# KiCad board panel.opm-lowside.kicad_pcb (continued)
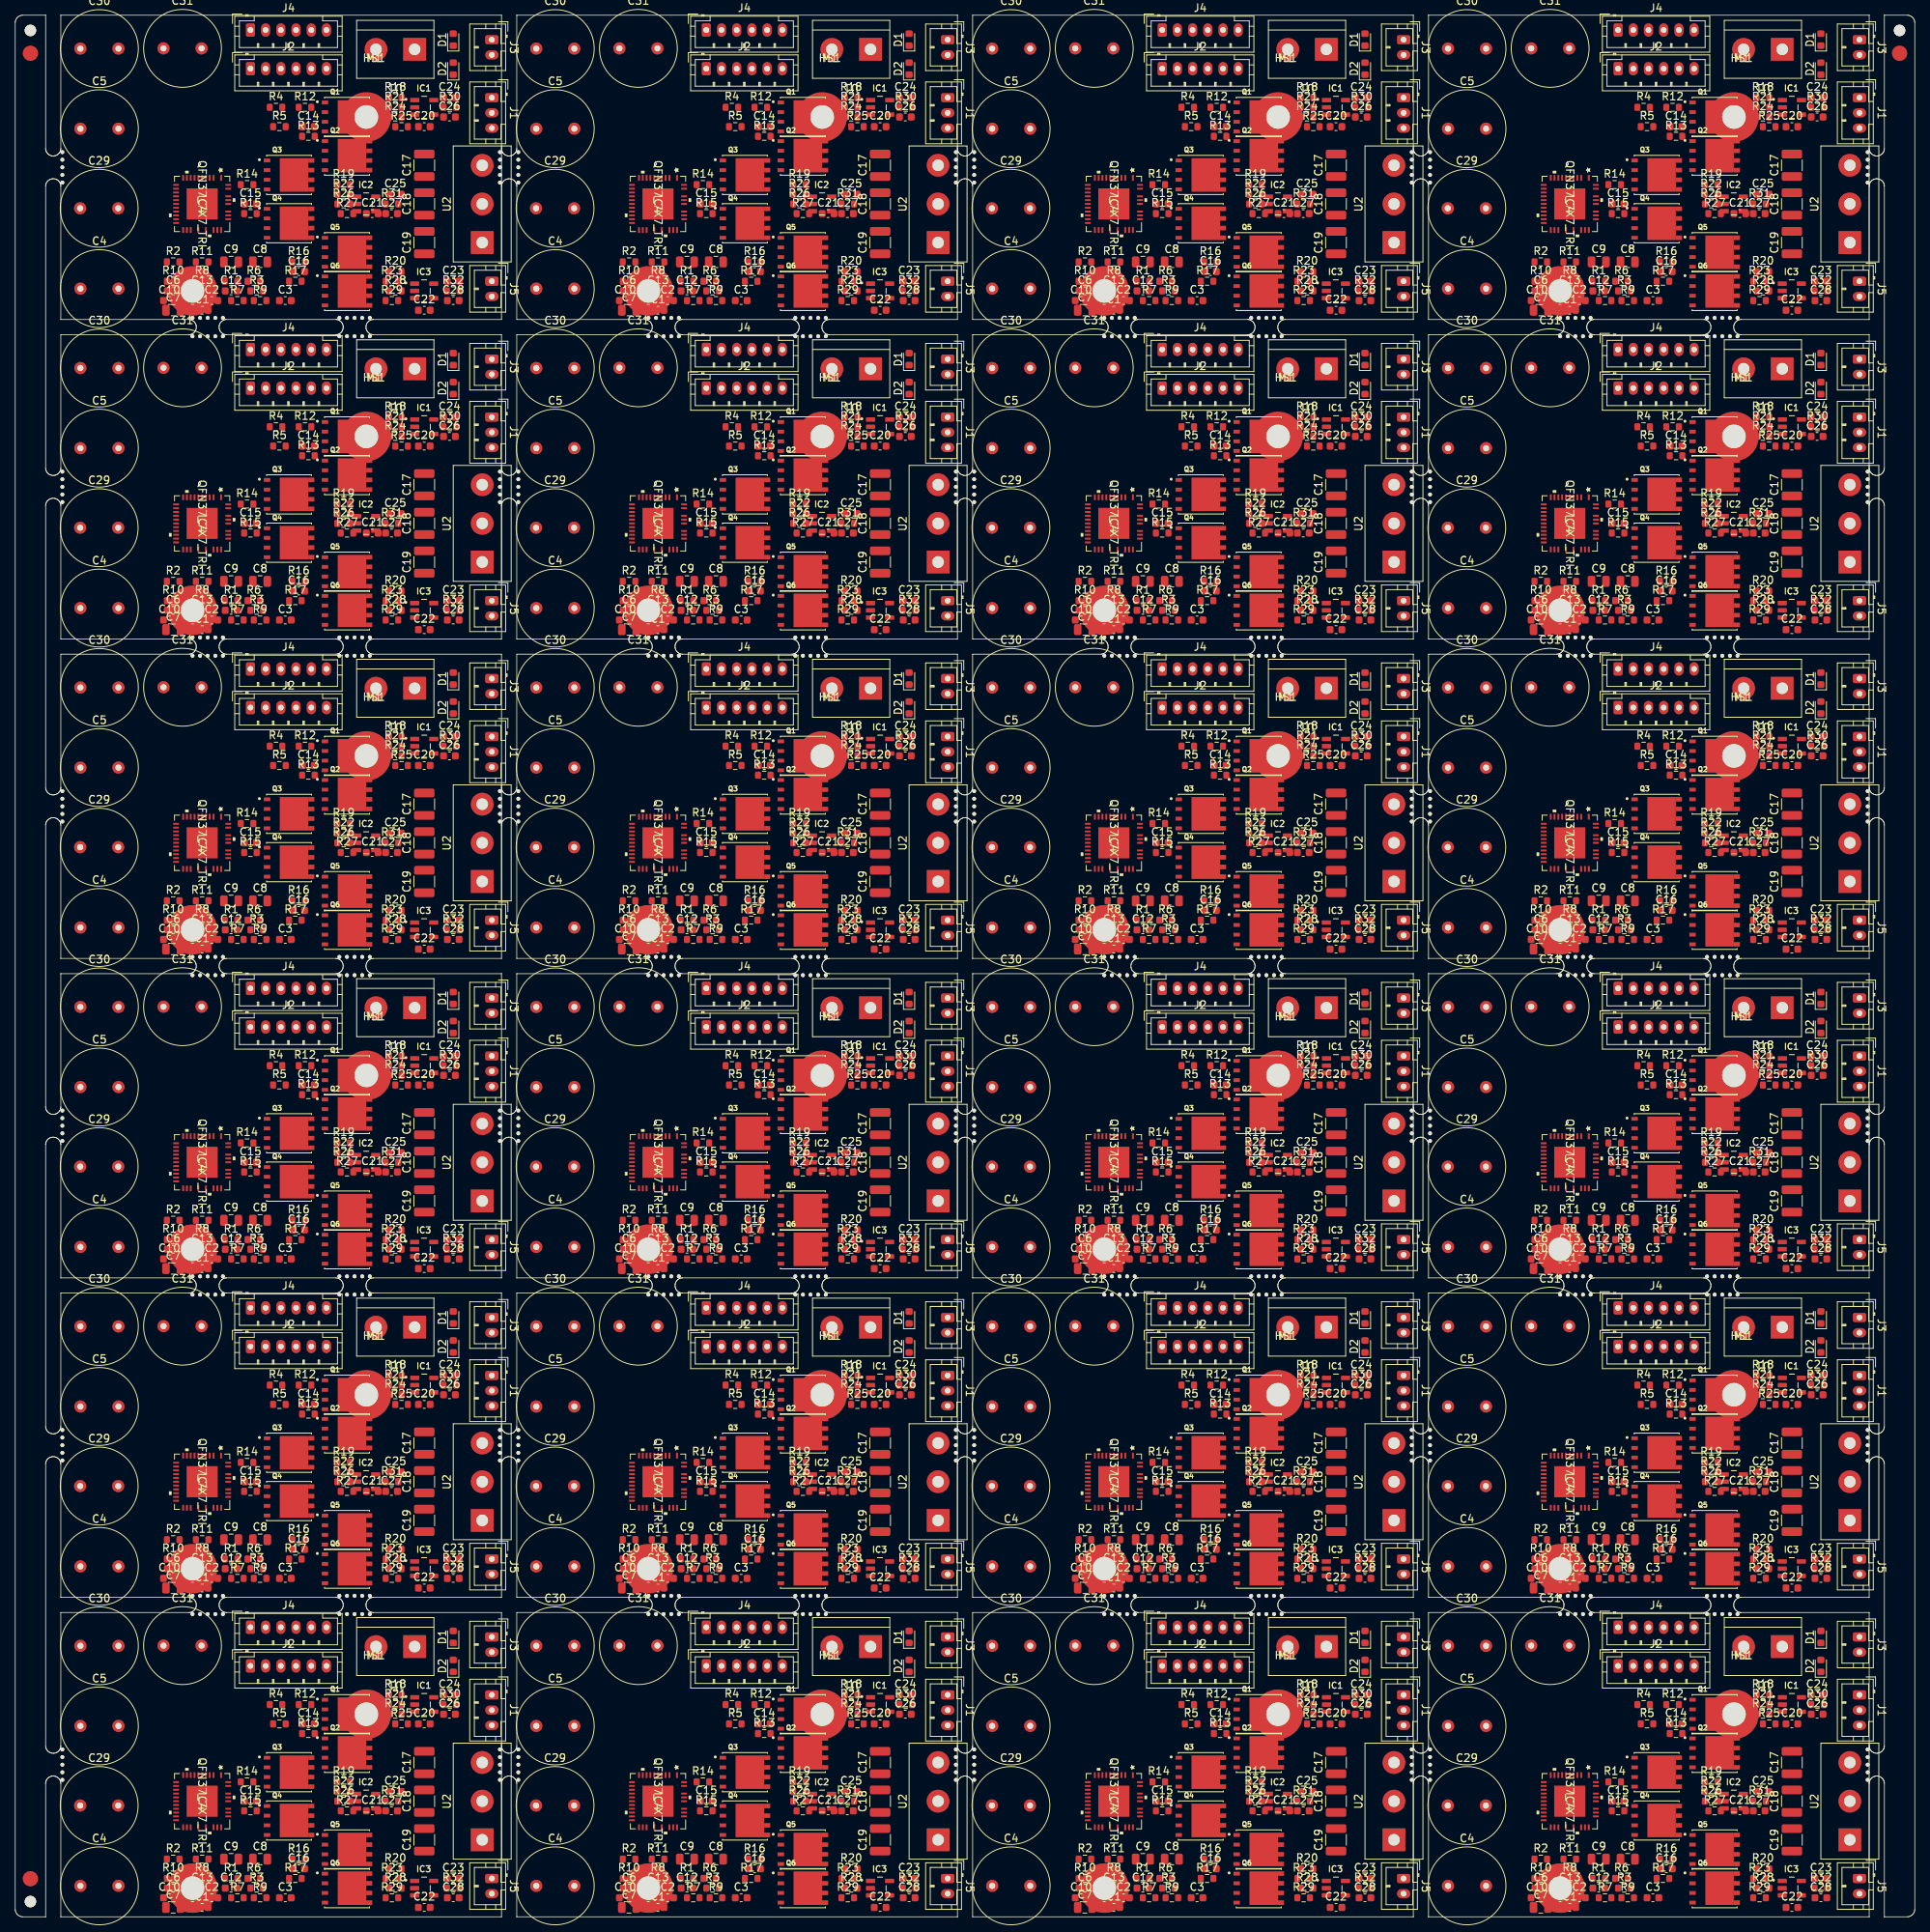
[diagram p0: board, top side]
## Nets (continued)
Board_12-Net-(C21-Pad1): C21#13.1 IC2#13.3 R26#13.1
Board_12-Net-(C21-Pad2): C21#13.2 IC2#13.4 R27#13.1
Board_12-Net-(C22-Pad1): C22#13.1 IC3#13.3 R28#13.1
Board_12-Net-(C22-Pad2): C22#13.2 IC3#13.4 R29#13.1
Board_12-Net-(C23-Pad2): C23#13.2 IC3#13.5
Board_12-Net-(C24-Pad2): C24#13.2 IC1#13.5
Board_12-Net-(C25-Pad2): C25#13.2 IC2#13.5
Board_12-Net-(D1-Pad2): D1#13.2 R4#13.1
Board_12-Net-(D2-Pad2): D2#13.2 R5#13.1
Board_12-Net-(IC1-Pad1): IC1#13.1 R30#13.2
Board_12-Net-(IC2-Pad1): IC2#13.1 R31#13.2
Board_12-Net-(IC3-Pad1): IC3#13.1 R32#13.2
Board_12-Net-(IC4-Pad2): IC4#13.2
Board_12-Net-(IC4-Pad3): IC4#13.3 R17#13.2
Board_12-Net-(IC4-Pad4): IC4#13.4 R15#13.2
Board_12-Net-(IC4-Pad5): IC4#13.5 R13#13.2
Board_12-Net-(IC4-Pad21): IC4#13.21 R11#13.1
Board_12-Net-(IC4-Pad31): IC4#13.31 R16#13.2
Board_12-Net-(IC4-Pad34): IC4#13.34 R14#13.2
Board_12-Net-(IC4-Pad37): IC4#13.37 R12#13.2
Board_12-Net-(Q1-Pad4): Q1#13.4 R12#13.1
Board_12-Net-(Q2-Pad4): Q2#13.4 R13#13.1
Board_12-Net-(Q2-Pad5): Q2#13.5 Q2#13.6 Q2#13.7 Q2#13.8 R18#13.1 R21#13.1 R24#13.2
Board_12-Net-(Q3-Pad4): Q3#13.4 R14#13.1
Board_12-Net-(Q4-Pad4): Q4#13.4 R15#13.1
Board_12-Net-(Q4-Pad5): Q4#13.5 Q4#13.6 Q4#13.7 Q4#13.8 R19#13.1 R22#13.1 R26#13.2
Board_12-Net-(Q5-Pad4): Q5#13.4 R16#13.1
Board_12-Net-(Q6-Pad4): Q6#13.4 R17#13.1
Board_12-Net-(Q6-Pad5): Q6#13.5 Q6#13.6 Q6#13.7 Q6#13.8 R20#13.1 R23#13.1 R28#13.2
Board_12-Net-(R1-Pad1): R1#13.1
Board_12-Net-(R1-Pad2): R1#13.2 R2#13.1
Board_12-Net-(R10-Pad2): R10#13.2
Board_12-Net-(R20-Pad2): R20#13.2 R23#13.2 R29#13.2
Board_12-U-IA-IDC: C26#13.1 R30#13.1
Board_12-V-IA-IDC: C27#13.1 R31#13.1
Board_12-W-IA-IDC: C28#13.1 R32#13.1
Board_13-+5V: C1#14.2 C2#14.2 C3#14.2 C4#14.2 C5#14.2 C6#14.2 C7#14.2 C8#14.2 C9#14.2 C10#14.2 C12#14.1 C17#14.2 C18#14.2 C19#14.2 C23#14.1 C24#14.1 C25#14.1 C26#14.2 C27#14.2 C28#14.2 C29#14.2 C30#14.2 C31#14.2 D1#14.1 D2#14.1 IC1#14.2 IC2#14.2 IC3#14.2 IC4#14.8 IC4#14.9 J3#14.2 J5#14.2 R3#14.2 R7#14.2 R9#14.2 R11#14.2 R18#14.2 R19#14.2 R21#14.2 R22#14.2 R25#14.2 R27#14.2 U1#14.1
Board_13-/+VM: C4#14.1 C5#14.1 C12#14.2 C13#14.2 C17#14.1 C18#14.1 C19#14.1 C29#14.1 C30#14.1 C31#14.1 IC4#14.28 Q1#14.1 Q1#14.2 Q1#14.3 Q3#14.1 Q3#14.2 Q3#14.3 Q5#14.1 Q5#14.2 Q5#14.3 U1#14.2
Board_13-/ADC_I_u: J1#14.1
Board_13-/ADC_I_w: J1#14.3
Board_13-/Connectors/ADC_I_v: J1#14.2
Board_13-/Connectors/FAULT: J2#14.6
Board_13-/Connectors/Fault: R5#14.2
Board_13-/Connectors/SPI1_MISO: J2#14.4
Board_13-/Connectors/SPI1_MOSI: J2#14.3
Board_13-/Connectors/SPI1_SCK: J2#14.2
Board_13-/Connectors/VOFS: R6#14.2 R7#14.1
Board_13-/DRV_EN: IC4#14.24 J2#14.5
Board_13-/Fault: IC4#14.23
Board_13-/Motor Driver/SPI2_MISO: IC4#14.13
Board_13-/SPE: IC4#14.22 R8#14.2 R9#14.1
Board_13-/SPI2_MOSI: IC4#14.12
Board_13-/SPI2_SCK: IC4#14.11
Board_13-/U: C3#14.1 U2#14.3
Board_13-/UH: IC4#14.14 J4#14.6
Board_13-/UL: IC4#14.15 J4#14.5
Board_13-/V: C2#14.1 U2#14.2
Board_13-/VCP: C13#14.1 IC4#14.29
Board_13-/VH: IC4#14.17 J4#14.4
Board_13-/VL: IC4#14.18 J4#14.3
Board_13-/VSA: C7#14.1 IC4#14.25 R10#14.1
Board_13-/W: C1#14.1 U2#14.1
Board_13-/WH: IC4#14.19 J4#14.2
Board_13-/WL: IC4#14.20 J4#14.1
Board_13-/~{CS_DRIVER}: IC4#14.10 J2#14.1
Board_13-Net-(C6-Pad1): C6#14.1 J5#14.1 R2#14.2 R3#14.1
Board_13-Net-(C11-Pad1): C11#14.1 IC4#14.27
Board_13-Net-(C11-Pad2): C11#14.2 IC4#14.26
Board_13-Net-(C14-Pad1): C14#14.1 IC4#14.36 Q1#14.5 Q1#14.6 Q1#14.7 Q1#14.8 Q2#14.1 Q2#14.2 Q2#14.3
Board_13-Net-(C14-Pad2): C14#14.2 IC4#14.1
Board_13-Net-(C15-Pad1): C15#14.1 IC4#14.33 Q3#14.5 Q3#14.6 Q3#14.7 Q3#14.8 Q4#14.1 Q4#14.2 Q4#14.3
Board_13-Net-(C15-Pad2): C15#14.2 IC4#14.35
Board_13-Net-(C16-Pad1): C16#14.1 IC4#14.32 Q5#14.5 Q5#14.6 Q5#14.7 Q5#14.8 Q6#14.1 Q6#14.2 Q6#14.3
Board_13-Net-(C16-Pad2): C16#14.2 IC4#14.30
Board_13-Net-(C20-Pad1): C20#14.1 IC1#14.3 R24#14.1
Board_13-Net-(C20-Pad2): C20#14.2 IC1#14.4 R25#14.1
Board_13-Net-(C21-Pad1): C21#14.1 IC2#14.3 R26#14.1
Board_13-Net-(C21-Pad2): C21#14.2 IC2#14.4 R27#14.1
Board_13-Net-(C22-Pad1): C22#14.1 IC3#14.3 R28#14.1
Board_13-Net-(C22-Pad2): C22#14.2 IC3#14.4 R29#14.1
Board_13-Net-(C23-Pad2): C23#14.2 IC3#14.5
Board_13-Net-(C24-Pad2): C24#14.2 IC1#14.5
Board_13-Net-(C25-Pad2): C25#14.2 IC2#14.5
Board_13-Net-(D1-Pad2): D1#14.2 R4#14.1
Board_13-Net-(D2-Pad2): D2#14.2 R5#14.1
Board_13-Net-(IC1-Pad1): IC1#14.1 R30#14.2
Board_13-Net-(IC2-Pad1): IC2#14.1 R31#14.2
Board_13-Net-(IC3-Pad1): IC3#14.1 R32#14.2
Board_13-Net-(IC4-Pad2): IC4#14.2
Board_13-Net-(IC4-Pad3): IC4#14.3 R17#14.2
Board_13-Net-(IC4-Pad4): IC4#14.4 R15#14.2
Board_13-Net-(IC4-Pad5): IC4#14.5 R13#14.2
Board_13-Net-(IC4-Pad21): IC4#14.21 R11#14.1
Board_13-Net-(IC4-Pad31): IC4#14.31 R16#14.2
Board_13-Net-(IC4-Pad34): IC4#14.34 R14#14.2
Board_13-Net-(IC4-Pad37): IC4#14.37 R12#14.2
Board_13-Net-(Q1-Pad4): Q1#14.4 R12#14.1
Board_13-Net-(Q2-Pad4): Q2#14.4 R13#14.1
Board_13-Net-(Q2-Pad5): Q2#14.5 Q2#14.6 Q2#14.7 Q2#14.8 R18#14.1 R21#14.1 R24#14.2
Board_13-Net-(Q3-Pad4): Q3#14.4 R14#14.1
Board_13-Net-(Q4-Pad4): Q4#14.4 R15#14.1
Board_13-Net-(Q4-Pad5): Q4#14.5 Q4#14.6 Q4#14.7 Q4#14.8 R19#14.1 R22#14.1 R26#14.2
Board_13-Net-(Q5-Pad4): Q5#14.4 R16#14.1
Board_13-Net-(Q6-Pad4): Q6#14.4 R17#14.1
Board_13-Net-(Q6-Pad5): Q6#14.5 Q6#14.6 Q6#14.7 Q6#14.8 R20#14.1 R23#14.1 R28#14.2
Board_13-Net-(R1-Pad1): R1#14.1
Board_13-Net-(R1-Pad2): R1#14.2 R2#14.1
Board_13-Net-(R10-Pad2): R10#14.2
Board_13-Net-(R20-Pad2): R20#14.2 R23#14.2 R29#14.2
Board_13-U-IA-IDC: C26#14.1 R30#14.1
Board_13-V-IA-IDC: C27#14.1 R31#14.1
Board_13-W-IA-IDC: C28#14.1 R32#14.1
Board_14-+5V: C1#15.2 C2#15.2 C3#15.2 C4#15.2 C5#15.2 C6#15.2 C7#15.2 C8#15.2 C9#15.2 C10#15.2 C12#15.1 C17#15.2 C18#15.2 C19#15.2 C23#15.1 C24#15.1 C25#15.1 C26#15.2 C27#15.2 C28#15.2 C29#15.2 C30#15.2 C31#15.2 D1#15.1 D2#15.1 IC1#15.2 IC2#15.2 IC3#15.2 IC4#15.8 IC4#15.9 J3#15.2 J5#15.2 R3#15.2 R7#15.2 R9#15.2 R11#15.2 R18#15.2 R19#15.2 R21#15.2 R22#15.2 R25#15.2 R27#15.2 U1#15.1
Board_14-/+VM: C4#15.1 C5#15.1 C12#15.2 C13#15.2 C17#15.1 C18#15.1 C19#15.1 C29#15.1 C30#15.1 C31#15.1 IC4#15.28 Q1#15.1 Q1#15.2 Q1#15.3 Q3#15.1 Q3#15.2 Q3#15.3 Q5#15.1 Q5#15.2 Q5#15.3 U1#15.2
Board_14-/ADC_I_u: J1#15.1
Board_14-/ADC_I_w: J1#15.3
Board_14-/Connectors/ADC_I_v: J1#15.2
Board_14-/Connectors/FAULT: J2#15.6
Board_14-/Connectors/Fault: R5#15.2
Board_14-/Connectors/SPI1_MISO: J2#15.4
Board_14-/Connectors/SPI1_MOSI: J2#15.3
Board_14-/Connectors/SPI1_SCK: J2#15.2
Board_14-/Connectors/VOFS: R6#15.2 R7#15.1
Board_14-/DRV_EN: IC4#15.24 J2#15.5
Board_14-/Fault: IC4#15.23
Board_14-/Motor Driver/SPI2_MISO: IC4#15.13
Board_14-/SPE: IC4#15.22 R8#15.2 R9#15.1
Board_14-/SPI2_MOSI: IC4#15.12
Board_14-/SPI2_SCK: IC4#15.11
Board_14-/U: C3#15.1 U2#15.3
Board_14-/UH: IC4#15.14 J4#15.6
Board_14-/UL: IC4#15.15 J4#15.5
Board_14-/V: C2#15.1 U2#15.2
Board_14-/VCP: C13#15.1 IC4#15.29
Board_14-/VH: IC4#15.17 J4#15.4
Board_14-/VL: IC4#15.18 J4#15.3
Board_14-/VSA: C7#15.1 IC4#15.25 R10#15.1
Board_14-/W: C1#15.1 U2#15.1
Board_14-/WH: IC4#15.19 J4#15.2
Board_14-/WL: IC4#15.20 J4#15.1
Board_14-/~{CS_DRIVER}: IC4#15.10 J2#15.1
Board_14-Net-(C6-Pad1): C6#15.1 J5#15.1 R2#15.2 R3#15.1
Board_14-Net-(C11-Pad1): C11#15.1 IC4#15.27
Board_14-Net-(C11-Pad2): C11#15.2 IC4#15.26
Board_14-Net-(C14-Pad1): C14#15.1 IC4#15.36 Q1#15.5 Q1#15.6 Q1#15.7 Q1#15.8 Q2#15.1 Q2#15.2 Q2#15.3
Board_14-Net-(C14-Pad2): C14#15.2 IC4#15.1
Board_14-Net-(C15-Pad1): C15#15.1 IC4#15.33 Q3#15.5 Q3#15.6 Q3#15.7 Q3#15.8 Q4#15.1 Q4#15.2 Q4#15.3
Board_14-Net-(C15-Pad2): C15#15.2 IC4#15.35
Board_14-Net-(C16-Pad1): C16#15.1 IC4#15.32 Q5#15.5 Q5#15.6 Q5#15.7 Q5#15.8 Q6#15.1 Q6#15.2 Q6#15.3
Board_14-Net-(C16-Pad2): C16#15.2 IC4#15.30
Board_14-Net-(C20-Pad1): C20#15.1 IC1#15.3 R24#15.1
Board_14-Net-(C20-Pad2): C20#15.2 IC1#15.4 R25#15.1
Board_14-Net-(C21-Pad1): C21#15.1 IC2#15.3 R26#15.1
Board_14-Net-(C21-Pad2): C21#15.2 IC2#15.4 R27#15.1
Board_14-Net-(C22-Pad1): C22#15.1 IC3#15.3 R28#15.1
Board_14-Net-(C22-Pad2): C22#15.2 IC3#15.4 R29#15.1
Board_14-Net-(C23-Pad2): C23#15.2 IC3#15.5
Board_14-Net-(C24-Pad2): C24#15.2 IC1#15.5
Board_14-Net-(C25-Pad2): C25#15.2 IC2#15.5
Board_14-Net-(D1-Pad2): D1#15.2 R4#15.1
Board_14-Net-(D2-Pad2): D2#15.2 R5#15.1
Board_14-Net-(IC1-Pad1): IC1#15.1 R30#15.2
Board_14-Net-(IC2-Pad1): IC2#15.1 R31#15.2
Board_14-Net-(IC3-Pad1): IC3#15.1 R32#15.2
Board_14-Net-(IC4-Pad2): IC4#15.2
Board_14-Net-(IC4-Pad3): IC4#15.3 R17#15.2
Board_14-Net-(IC4-Pad4): IC4#15.4 R15#15.2
Board_14-Net-(IC4-Pad5): IC4#15.5 R13#15.2
Board_14-Net-(IC4-Pad21): IC4#15.21 R11#15.1
Board_14-Net-(IC4-Pad31): IC4#15.31 R16#15.2
Board_14-Net-(IC4-Pad34): IC4#15.34 R14#15.2
Board_14-Net-(IC4-Pad37): IC4#15.37 R12#15.2
Board_14-Net-(Q1-Pad4): Q1#15.4 R12#15.1
Board_14-Net-(Q2-Pad4): Q2#15.4 R13#15.1
Board_14-Net-(Q2-Pad5): Q2#15.5 Q2#15.6 Q2#15.7 Q2#15.8 R18#15.1 R21#15.1 R24#15.2
Board_14-Net-(Q3-Pad4): Q3#15.4 R14#15.1
Board_14-Net-(Q4-Pad4): Q4#15.4 R15#15.1
Board_14-Net-(Q4-Pad5): Q4#15.5 Q4#15.6 Q4#15.7 Q4#15.8 R19#15.1 R22#15.1 R26#15.2
Board_14-Net-(Q5-Pad4): Q5#15.4 R16#15.1
Board_14-Net-(Q6-Pad4): Q6#15.4 R17#15.1
Board_14-Net-(Q6-Pad5): Q6#15.5 Q6#15.6 Q6#15.7 Q6#15.8 R20#15.1 R23#15.1 R28#15.2
Board_14-Net-(R1-Pad1): R1#15.1
Board_14-Net-(R1-Pad2): R1#15.2 R2#15.1
Board_14-Net-(R10-Pad2): R10#15.2
Board_14-Net-(R20-Pad2): R20#15.2 R23#15.2 R29#15.2
Board_14-U-IA-IDC: C26#15.1 R30#15.1
Board_14-V-IA-IDC: C27#15.1 R31#15.1
Board_14-W-IA-IDC: C28#15.1 R32#15.1
Board_15-+5V: C1#16.2 C2#16.2 C3#16.2 C4#16.2 C5#16.2 C6#16.2 C7#16.2 C8#16.2 C9#16.2 C10#16.2 C12#16.1 C17#16.2 C18#16.2 C19#16.2 C23#16.1 C24#16.1 C25#16.1 C26#16.2 C27#16.2 C28#16.2 C29#16.2 C30#16.2 C31#16.2 D1#16.1 D2#16.1 IC1#16.2 IC2#16.2 IC3#16.2 IC4#16.8 IC4#16.9 J3#16.2 J5#16.2 R3#16.2 R7#16.2 R9#16.2 R11#16.2 R18#16.2 R19#16.2 R21#16.2 R22#16.2 R25#16.2 R27#16.2 U1#16.1
Board_15-/+VM: C4#16.1 C5#16.1 C12#16.2 C13#16.2 C17#16.1 C18#16.1 C19#16.1 C29#16.1 C30#16.1 C31#16.1 IC4#16.28 Q1#16.1 Q1#16.2 Q1#16.3 Q3#16.1 Q3#16.2 Q3#16.3 Q5#16.1 Q5#16.2 Q5#16.3 U1#16.2
Board_15-/ADC_I_u: J1#16.1
Board_15-/ADC_I_w: J1#16.3
Board_15-/Connectors/ADC_I_v: J1#16.2
Board_15-/Connectors/FAULT: J2#16.6
Board_15-/Connectors/Fault: R5#16.2
Board_15-/Connectors/SPI1_MISO: J2#16.4
Board_15-/Connectors/SPI1_MOSI: J2#16.3
Board_15-/Connectors/SPI1_SCK: J2#16.2
Board_15-/Connectors/VOFS: R6#16.2 R7#16.1
Board_15-/DRV_EN: IC4#16.24 J2#16.5
Board_15-/Fault: IC4#16.23
Board_15-/Motor Driver/SPI2_MISO: IC4#16.13
Board_15-/SPE: IC4#16.22 R8#16.2 R9#16.1
Board_15-/SPI2_MOSI: IC4#16.12
Board_15-/SPI2_SCK: IC4#16.11
Board_15-/U: C3#16.1 U2#16.3
Board_15-/UH: IC4#16.14 J4#16.6
Board_15-/UL: IC4#16.15 J4#16.5
Board_15-/V: C2#16.1 U2#16.2
Board_15-/VCP: C13#16.1 IC4#16.29
Board_15-/VH: IC4#16.17 J4#16.4
Board_15-/VL: IC4#16.18 J4#16.3
Board_15-/VSA: C7#16.1 IC4#16.25 R10#16.1
Board_15-/W: C1#16.1 U2#16.1
Board_15-/WH: IC4#16.19 J4#16.2
Board_15-/WL: IC4#16.20 J4#16.1
Board_15-/~{CS_DRIVER}: IC4#16.10 J2#16.1
Board_15-Net-(C6-Pad1): C6#16.1 J5#16.1 R2#16.2 R3#16.1
Board_15-Net-(C11-Pad1): C11#16.1 IC4#16.27
Board_15-Net-(C11-Pad2): C11#16.2 IC4#16.26
Board_15-Net-(C14-Pad1): C14#16.1 IC4#16.36 Q1#16.5 Q1#16.6 Q1#16.7 Q1#16.8 Q2#16.1 Q2#16.2 Q2#16.3
Board_15-Net-(C14-Pad2): C14#16.2 IC4#16.1
Board_15-Net-(C15-Pad1): C15#16.1 IC4#16.33 Q3#16.5 Q3#16.6 Q3#16.7 Q3#16.8 Q4#16.1 Q4#16.2 Q4#16.3
Board_15-Net-(C15-Pad2): C15#16.2 IC4#16.35
Board_15-Net-(C16-Pad1): C16#16.1 IC4#16.32 Q5#16.5 Q5#16.6 Q5#16.7 Q5#16.8 Q6#16.1 Q6#16.2 Q6#16.3
Board_15-Net-(C16-Pad2): C16#16.2 IC4#16.30
Board_15-Net-(C20-Pad1): C20#16.1 IC1#16.3 R24#16.1
Board_15-Net-(C20-Pad2): C20#16.2 IC1#16.4 R25#16.1
Board_15-Net-(C21-Pad1): C21#16.1 IC2#16.3 R26#16.1
Board_15-Net-(C21-Pad2): C21#16.2 IC2#16.4 R27#16.1
Board_15-Net-(C22-Pad1): C22#16.1 IC3#16.3 R28#16.1
Board_15-Net-(C22-Pad2): C22#16.2 IC3#16.4 R29#16.1
Board_15-Net-(C23-Pad2): C23#16.2 IC3#16.5
Board_15-Net-(C24-Pad2): C24#16.2 IC1#16.5
Board_15-Net-(C25-Pad2): C25#16.2 IC2#16.5
Board_15-Net-(D1-Pad2): D1#16.2 R4#16.1
Board_15-Net-(D2-Pad2): D2#16.2 R5#16.1
Board_15-Net-(IC1-Pad1): IC1#16.1 R30#16.2
Board_15-Net-(IC2-Pad1): IC2#16.1 R31#16.2
Board_15-Net-(IC3-Pad1): IC3#16.1 R32#16.2
Board_15-Net-(IC4-Pad2): IC4#16.2
Board_15-Net-(IC4-Pad3): IC4#16.3 R17#16.2
Board_15-Net-(IC4-Pad4): IC4#16.4 R15#16.2
Board_15-Net-(IC4-Pad5): IC4#16.5 R13#16.2
Board_15-Net-(IC4-Pad21): IC4#16.21 R11#16.1
Board_15-Net-(IC4-Pad31): IC4#16.31 R16#16.2
Board_15-Net-(IC4-Pad34): IC4#16.34 R14#16.2
Board_15-Net-(IC4-Pad37): IC4#16.37 R12#16.2
Board_15-Net-(Q1-Pad4): Q1#16.4 R12#16.1
Board_15-Net-(Q2-Pad4): Q2#16.4 R13#16.1
Board_15-Net-(Q2-Pad5): Q2#16.5 Q2#16.6 Q2#16.7 Q2#16.8 R18#16.1 R21#16.1 R24#16.2
Board_15-Net-(Q3-Pad4): Q3#16.4 R14#16.1
Board_15-Net-(Q4-Pad4): Q4#16.4 R15#16.1
Board_15-Net-(Q4-Pad5): Q4#16.5 Q4#16.6 Q4#16.7 Q4#16.8 R19#16.1 R22#16.1 R26#16.2
Board_15-Net-(Q5-Pad4): Q5#16.4 R16#16.1
Board_15-Net-(Q6-Pad4): Q6#16.4 R17#16.1
Board_15-Net-(Q6-Pad5): Q6#16.5 Q6#16.6 Q6#16.7 Q6#16.8 R20#16.1 R23#16.1 R28#16.2
Board_15-Net-(R1-Pad1): R1#16.1
Board_15-Net-(R1-Pad2): R1#16.2 R2#16.1
Board_15-Net-(R10-Pad2): R10#16.2
Board_15-Net-(R20-Pad2): R20#16.2 R23#16.2 R29#16.2
Board_15-U-IA-IDC: C26#16.1 R30#16.1
Board_15-V-IA-IDC: C27#16.1 R31#16.1
Board_15-W-IA-IDC: C28#16.1 R32#16.1
Board_16-+5V: C1#17.2 C2#17.2 C3#17.2 C4#17.2 C5#17.2 C6#17.2 C7#17.2 C8#17.2 C9#17.2 C10#17.2 C12#17.1 C17#17.2 C18#17.2 C19#17.2 C23#17.1 C24#17.1 C25#17.1 C26#17.2 C27#17.2 C28#17.2 C29#17.2 C30#17.2 C31#17.2 D1#17.1 D2#17.1 IC1#17.2 IC2#17.2 IC3#17.2 IC4#17.8 IC4#17.9 J3#17.2 J5#17.2 R3#17.2 R7#17.2 R9#17.2 R11#17.2 R18#17.2 R19#17.2 R21#17.2 R22#17.2 R25#17.2 R27#17.2 U1#17.1
Board_16-/+VM: C4#17.1 C5#17.1 C12#17.2 C13#17.2 C17#17.1 C18#17.1 C19#17.1 C29#17.1 C30#17.1 C31#17.1 IC4#17.28 Q1#17.1 Q1#17.2 Q1#17.3 Q3#17.1 Q3#17.2 Q3#17.3 Q5#17.1 Q5#17.2 Q5#17.3 U1#17.2
Board_16-/ADC_I_u: J1#17.1
Board_16-/ADC_I_w: J1#17.3
Board_16-/Connectors/ADC_I_v: J1#17.2
Board_16-/Connectors/FAULT: J2#17.6
Board_16-/Connectors/Fault: R5#17.2
Board_16-/Connectors/SPI1_MISO: J2#17.4
Board_16-/Connectors/SPI1_MOSI: J2#17.3
Board_16-/Connectors/SPI1_SCK: J2#17.2
Board_16-/Connectors/VOFS: R6#17.2 R7#17.1
Board_16-/DRV_EN: IC4#17.24 J2#17.5
Board_16-/Fault: IC4#17.23
Board_16-/Motor Driver/SPI2_MISO: IC4#17.13
Board_16-/SPE: IC4#17.22 R8#17.2 R9#17.1
Board_16-/SPI2_MOSI: IC4#17.12
Board_16-/SPI2_SCK: IC4#17.11
Board_16-/U: C3#17.1 U2#17.3
Board_16-/UH: IC4#17.14 J4#17.6
Board_16-/UL: IC4#17.15 J4#17.5
Board_16-/V: C2#17.1 U2#17.2
Board_16-/VCP: C13#17.1 IC4#17.29
Board_16-/VH: IC4#17.17 J4#17.4
Board_16-/VL: IC4#17.18 J4#17.3
Board_16-/VSA: C7#17.1 IC4#17.25 R10#17.1
Board_16-/W: C1#17.1 U2#17.1
Board_16-/WH: IC4#17.19 J4#17.2
Board_16-/WL: IC4#17.20 J4#17.1
Board_16-/~{CS_DRIVER}: IC4#17.10 J2#17.1
Board_16-Net-(C6-Pad1): C6#17.1 J5#17.1 R2#17.2 R3#17.1
Board_16-Net-(C11-Pad1): C11#17.1 IC4#17.27
Board_16-Net-(C11-Pad2): C11#17.2 IC4#17.26
Board_16-Net-(C14-Pad1): C14#17.1 IC4#17.36 Q1#17.5 Q1#17.6 Q1#17.7 Q1#17.8 Q2#17.1 Q2#17.2 Q2#17.3
Board_16-Net-(C14-Pad2): C14#17.2 IC4#17.1
Board_16-Net-(C15-Pad1): C15#17.1 IC4#17.33 Q3#17.5 Q3#17.6 Q3#17.7 Q3#17.8 Q4#17.1 Q4#17.2 Q4#17.3
Board_16-Net-(C15-Pad2): C15#17.2 IC4#17.35
Board_16-Net-(C16-Pad1): C16#17.1 IC4#17.32 Q5#17.5 Q5#17.6 Q5#17.7 Q5#17.8 Q6#17.1 Q6#17.2 Q6#17.3
Board_16-Net-(C16-Pad2): C16#17.2 IC4#17.30
Board_16-Net-(C20-Pad1): C20#17.1 IC1#17.3 R24#17.1
Board_16-Net-(C20-Pad2): C20#17.2 IC1#17.4 R25#17.1
Board_16-Net-(C21-Pad1): C21#17.1 IC2#17.3 R26#17.1
Board_16-Net-(C21-Pad2): C21#17.2 IC2#17.4 R27#17.1
Board_16-Net-(C22-Pad1): C22#17.1 IC3#17.3 R28#17.1
Board_16-Net-(C22-Pad2): C22#17.2 IC3#17.4 R29#17.1
Board_16-Net-(C23-Pad2): C23#17.2 IC3#17.5
Board_16-Net-(C24-Pad2): C24#17.2 IC1#17.5
Board_16-Net-(C25-Pad2): C25#17.2 IC2#17.5
Board_16-Net-(D1-Pad2): D1#17.2 R4#17.1
Board_16-Net-(D2-Pad2): D2#17.2 R5#17.1
Board_16-Net-(IC1-Pad1): IC1#17.1 R30#17.2
Board_16-Net-(IC2-Pad1): IC2#17.1 R31#17.2
Board_16-Net-(IC3-Pad1): IC3#17.1 R32#17.2
Board_16-Net-(IC4-Pad2): IC4#17.2
Board_16-Net-(IC4-Pad3): IC4#17.3 R17#17.2
Board_16-Net-(IC4-Pad4): IC4#17.4 R15#17.2
Board_16-Net-(IC4-Pad5): IC4#17.5 R13#17.2
Board_16-Net-(IC4-Pad21): IC4#17.21 R11#17.1
Board_16-Net-(IC4-Pad31): IC4#17.31 R16#17.2
Board_16-Net-(IC4-Pad34): IC4#17.34 R14#17.2
Board_16-Net-(IC4-Pad37): IC4#17.37 R12#17.2
Board_16-Net-(Q1-Pad4): Q1#17.4 R12#17.1
Board_16-Net-(Q2-Pad4): Q2#17.4 R13#17.1
Board_16-Net-(Q2-Pad5): Q2#17.5 Q2#17.6 Q2#17.7 Q2#17.8 R18#17.1 R21#17.1 R24#17.2
Board_16-Net-(Q3-Pad4): Q3#17.4 R14#17.1
Board_16-Net-(Q4-Pad4): Q4#17.4 R15#17.1
Board_16-Net-(Q4-Pad5): Q4#17.5 Q4#17.6 Q4#17.7 Q4#17.8 R19#17.1 R22#17.1 R26#17.2
Board_16-Net-(Q5-Pad4): Q5#17.4 R16#17.1
Board_16-Net-(Q6-Pad4): Q6#17.4 R17#17.1
Board_16-Net-(Q6-Pad5): Q6#17.5 Q6#17.6 Q6#17.7 Q6#17.8 R20#17.1 R23#17.1 R28#17.2
Board_16-Net-(R1-Pad1): R1#17.1
Board_16-Net-(R1-Pad2): R1#17.2 R2#17.1
Board_16-Net-(R10-Pad2): R10#17.2
Board_16-Net-(R20-Pad2): R20#17.2 R23#17.2 R29#17.2
Board_16-U-IA-IDC: C26#17.1 R30#17.1
Board_16-V-IA-IDC: C27#17.1 R31#17.1
Board_16-W-IA-IDC: C28#17.1 R32#17.1
Board_17-+5V: C1#18.2 C2#18.2 C3#18.2 C4#18.2 C5#18.2 C6#18.2 C7#18.2 C8#18.2 C9#18.2 C10#18.2 C12#18.1 C17#18.2 C18#18.2 C19#18.2 C23#18.1 C24#18.1 C25#18.1 C26#18.2 C27#18.2 C28#18.2 C29#18.2 C30#18.2 C31#18.2 D1#18.1 D2#18.1 IC1#18.2 IC2#18.2 IC3#18.2 IC4#18.8 IC4#18.9 J3#18.2 J5#18.2 R3#18.2 R7#18.2 R9#18.2 R11#18.2 R18#18.2 R19#18.2 R21#18.2 R22#18.2 R25#18.2 R27#18.2 U1#18.1
Board_17-/+VM: C4#18.1 C5#18.1 C12#18.2 C13#18.2 C17#18.1 C18#18.1 C19#18.1 C29#18.1 C30#18.1 C31#18.1 IC4#18.28 Q1#18.1 Q1#18.2 Q1#18.3 Q3#18.1 Q3#18.2 Q3#18.3 Q5#18.1 Q5#18.2 Q5#18.3 U1#18.2
Board_17-/ADC_I_u: J1#18.1
Board_17-/ADC_I_w: J1#18.3
Board_17-/Connectors/ADC_I_v: J1#18.2
Board_17-/Connectors/FAULT: J2#18.6
Board_17-/Connectors/Fault: R5#18.2
Board_17-/Connectors/SPI1_MISO: J2#18.4
Board_17-/Connectors/SPI1_MOSI: J2#18.3
Board_17-/Connectors/SPI1_SCK: J2#18.2
Board_17-/Connectors/VOFS: R6#18.2 R7#18.1
Board_17-/DRV_EN: IC4#18.24 J2#18.5
Board_17-/Fault: IC4#18.23
Board_17-/Motor Driver/SPI2_MISO: IC4#18.13
Board_17-/SPE: IC4#18.22 R8#18.2 R9#18.1
Board_17-/SPI2_MOSI: IC4#18.12
Board_17-/SPI2_SCK: IC4#18.11
Board_17-/U: C3#18.1 U2#18.3
Board_17-/UH: IC4#18.14 J4#18.6
Board_17-/UL: IC4#18.15 J4#18.5
Board_17-/V: C2#18.1 U2#18.2
Board_17-/VCP: C13#18.1 IC4#18.29
Board_17-/VH: IC4#18.17 J4#18.4
Board_17-/VL: IC4#18.18 J4#18.3
Board_17-/VSA: C7#18.1 IC4#18.25 R10#18.1
Board_17-/W: C1#18.1 U2#18.1
Board_17-/WH: IC4#18.19 J4#18.2
Board_17-/WL: IC4#18.20 J4#18.1
Board_17-/~{CS_DRIVER}: IC4#18.10 J2#18.1
Board_17-Net-(C6-Pad1): C6#18.1 J5#18.1 R2#18.2 R3#18.1
Board_17-Net-(C11-Pad1): C11#18.1 IC4#18.27
Board_17-Net-(C11-Pad2): C11#18.2 IC4#18.26
Board_17-Net-(C14-Pad1): C14#18.1 IC4#18.36 Q1#18.5 Q1#18.6 Q1#18.7 Q1#18.8 Q2#18.1 Q2#18.2 Q2#18.3
Board_17-Net-(C14-Pad2): C14#18.2 IC4#18.1
Board_17-Net-(C15-Pad1): C15#18.1 IC4#18.33 Q3#18.5 Q3#18.6 Q3#18.7 Q3#18.8 Q4#18.1 Q4#18.2 Q4#18.3
Board_17-Net-(C15-Pad2): C15#18.2 IC4#18.35
Board_17-Net-(C16-Pad1): C16#18.1 IC4#18.32 Q5#18.5 Q5#18.6 Q5#18.7 Q5#18.8 Q6#18.1 Q6#18.2 Q6#18.3
Board_17-Net-(C16-Pad2): C16#18.2 IC4#18.30
Board_17-Net-(C20-Pad1): C20#18.1 IC1#18.3 R24#18.1
Board_17-Net-(C20-Pad2): C20#18.2 IC1#18.4 R25#18.1
Board_17-Net-(C21-Pad1): C21#18.1 IC2#18.3 R26#18.1
Board_17-Net-(C21-Pad2): C21#18.2 IC2#18.4 R27#18.1
Board_17-Net-(C22-Pad1): C22#18.1 IC3#18.3 R28#18.1
Board_17-Net-(C22-Pad2): C22#18.2 IC3#18.4 R29#18.1
Board_17-Net-(C23-Pad2): C23#18.2 IC3#18.5
Board_17-Net-(C24-Pad2): C24#18.2 IC1#18.5
Board_17-Net-(C25-Pad2): C25#18.2 IC2#18.5
Board_17-Net-(D1-Pad2): D1#18.2 R4#18.1
Board_17-Net-(D2-Pad2): D2#18.2 R5#18.1
Board_17-Net-(IC1-Pad1): IC1#18.1 R30#18.2
Board_17-Net-(IC2-Pad1): IC2#18.1 R31#18.2
Board_17-Net-(IC3-Pad1): IC3#18.1 R32#18.2
Board_17-Net-(IC4-Pad2): IC4#18.2
Board_17-Net-(IC4-Pad3): IC4#18.3 R17#18.2
Board_17-Net-(IC4-Pad4): IC4#18.4 R15#18.2
Board_17-Net-(IC4-Pad5): IC4#18.5 R13#18.2
Board_17-Net-(IC4-Pad21): IC4#18.21 R11#18.1
Board_17-Net-(IC4-Pad31): IC4#18.31 R16#18.2
Board_17-Net-(IC4-Pad34): IC4#18.34 R14#18.2
Board_17-Net-(IC4-Pad37): IC4#18.37 R12#18.2
Board_17-Net-(Q1-Pad4): Q1#18.4 R12#18.1
Board_17-Net-(Q2-Pad4): Q2#18.4 R13#18.1
Board_17-Net-(Q2-Pad5): Q2#18.5 Q2#18.6 Q2#18.7 Q2#18.8 R18#18.1 R21#18.1 R24#18.2
Board_17-Net-(Q3-Pad4): Q3#18.4 R14#18.1
Board_17-Net-(Q4-Pad4): Q4#18.4 R15#18.1
Board_17-Net-(Q4-Pad5): Q4#18.5 Q4#18.6 Q4#18.7 Q4#18.8 R19#18.1 R22#18.1 R26#18.2
Board_17-Net-(Q5-Pad4): Q5#18.4 R16#18.1
Board_17-Net-(Q6-Pad4): Q6#18.4 R17#18.1
Board_17-Net-(Q6-Pad5): Q6#18.5 Q6#18.6 Q6#18.7 Q6#18.8 R20#18.1 R23#18.1 R28#18.2
Board_17-Net-(R1-Pad1): R1#18.1
Board_17-Net-(R1-Pad2): R1#18.2 R2#18.1
Board_17-Net-(R10-Pad2): R10#18.2
Board_17-Net-(R20-Pad2): R20#18.2 R23#18.2 R29#18.2
Board_17-U-IA-IDC: C26#18.1 R30#18.1
Board_17-V-IA-IDC: C27#18.1 R31#18.1
Board_17-W-IA-IDC: C28#18.1 R32#18.1
Board_18-+5V: C1#19.2 C2#19.2 C3#19.2 C4#19.2 C5#19.2 C6#19.2 C7#19.2 C8#19.2 C9#19.2 C10#19.2 C12#19.1 C17#19.2 C18#19.2 C19#19.2 C23#19.1 C24#19.1 C25#19.1 C26#19.2 C27#19.2 C28#19.2 C29#19.2 C30#19.2 C31#19.2 D1#19.1 D2#19.1 IC1#19.2 IC2#19.2 IC3#19.2 IC4#19.8 IC4#19.9 J3#19.2 J5#19.2 R3#19.2 R7#19.2 R9#19.2 R11#19.2 R18#19.2 R19#19.2 R21#19.2 R22#19.2 R25#19.2 R27#19.2 U1#19.1
Board_18-/+VM: C4#19.1 C5#19.1 C12#19.2 C13#19.2 C17#19.1 C18#19.1 C19#19.1 C29#19.1 C30#19.1 C31#19.1 IC4#19.28 Q1#19.1 Q1#19.2 Q1#19.3 Q3#19.1 Q3#19.2 Q3#19.3 Q5#19.1 Q5#19.2 Q5#19.3 U1#19.2
Board_18-/ADC_I_u: J1#19.1
Board_18-/ADC_I_w: J1#19.3
Board_18-/Connectors/ADC_I_v: J1#19.2
Board_18-/Connectors/FAULT: J2#19.6
Board_18-/Connectors/Fault: R5#19.2
Board_18-/Connectors/SPI1_MISO: J2#19.4
Board_18-/Connectors/SPI1_MOSI: J2#19.3
Board_18-/Connectors/SPI1_SCK: J2#19.2
Board_18-/Connectors/VOFS: R6#19.2 R7#19.1
Board_18-/DRV_EN: IC4#19.24 J2#19.5
Board_18-/Fault: IC4#19.23
Board_18-/Motor Driver/SPI2_MISO: IC4#19.13
Board_18-/SPE: IC4#19.22 R8#19.2 R9#19.1
Board_18-/SPI2_MOSI: IC4#19.12
Board_18-/SPI2_SCK: IC4#19.11
Board_18-/U: C3#19.1 U2#19.3
Board_18-/UH: IC4#19.14 J4#19.6
Board_18-/UL: IC4#19.15 J4#19.5
Board_18-/V: C2#19.1 U2#19.2
Board_18-/VCP: C13#19.1 IC4#19.29
Board_18-/VH: IC4#19.17 J4#19.4
Board_18-/VL: IC4#19.18 J4#19.3
Board_18-/VSA: C7#19.1 IC4#19.25 R10#19.1
Board_18-/W: C1#19.1 U2#19.1
Board_18-/WH: IC4#19.19 J4#19.2
Board_18-/WL: IC4#19.20 J4#19.1
Board_18-/~{CS_DRIVER}: IC4#19.10 J2#19.1
Board_18-Net-(C6-Pad1): C6#19.1 J5#19.1 R2#19.2 R3#19.1
Board_18-Net-(C11-Pad1): C11#19.1 IC4#19.27
Board_18-Net-(C11-Pad2): C11#19.2 IC4#19.26
Board_18-Net-(C14-Pad1): C14#19.1 IC4#19.36 Q1#19.5 Q1#19.6 Q1#19.7 Q1#19.8 Q2#19.1 Q2#19.2 Q2#19.3
Board_18-Net-(C14-Pad2): C14#19.2 IC4#19.1
Board_18-Net-(C15-Pad1): C15#19.1 IC4#19.33 Q3#19.5 Q3#19.6 Q3#19.7 Q3#19.8 Q4#19.1 Q4#19.2 Q4#19.3
Board_18-Net-(C15-Pad2): C15#19.2 IC4#19.35